# Altium PCB roach2.PcbDoc (part 12 of 39) (continued)
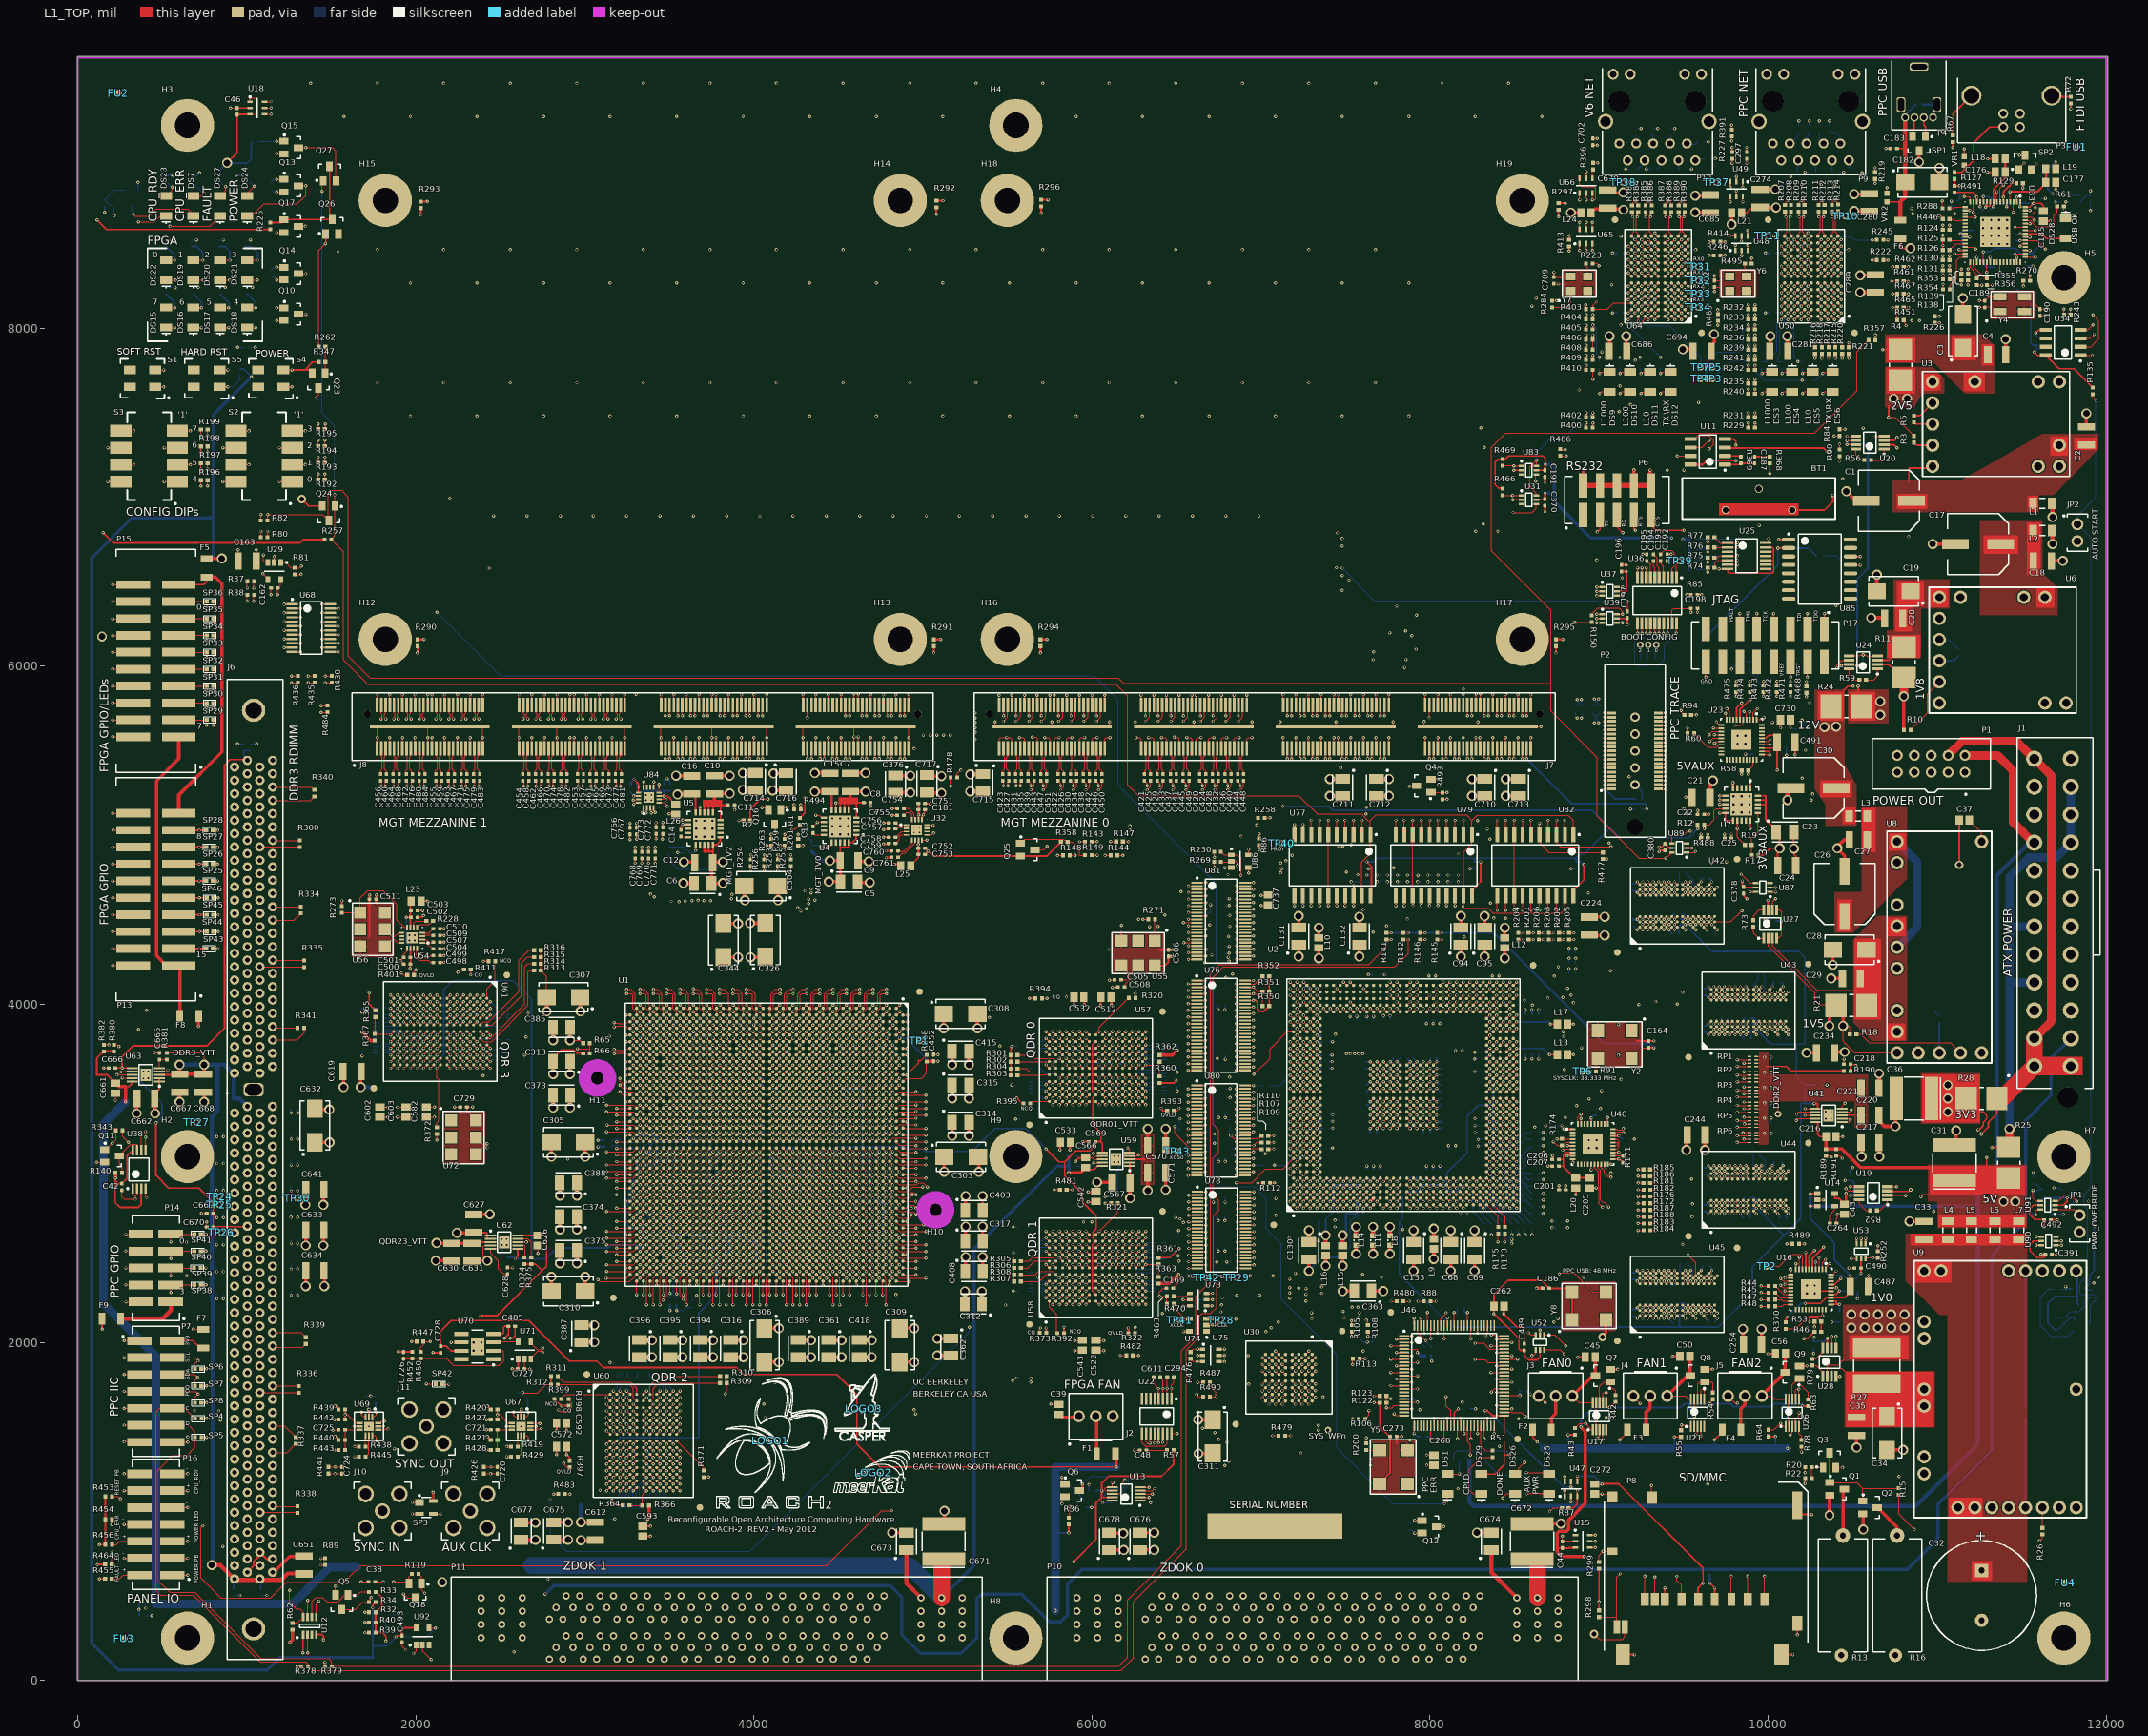
[diagram p0: L1_TOP view]
## Nets (pads, with @x,y where several pads share a name; then routed paths per layer and width w, separated by ;. In a path a pad name is that pad's centre, name@x,y a point inside that pad or via, vN(x,y) a via of type N, cw(c..) or ccw(c..) an arc to the next point about the centre after c; other vN are vias at no path point) (continued)
DDR3.BA2: J6.52 U1.AY32 | length 3134.6
  L1_TOP w5: v1(3325.87,2734.68) U1.AY32@3345.56,2754.37
  L12_S w3.8: J6.52@928.19,3277.64 1030.48,3277.64 1063.94,3311.1 1111.19,3311.1 1138.74,3283.55 1166.46,3283.55 1173.9,3290.99 1250.99,3290.99 1268.99,3272.99 1540.99,3272.99 ; 1538.99,3272.99 1540.99,3272.99 ; v1(3325.87,2734.68) 3285.56,2774.99 3152.02,2774.99 3135.49,2758.45 3117.53,2758.45 3096.99,2778.99 2518.99,2778.99 2462.56,2722.56 2415.42,2722.56 2374.99,2762.99 2148.99,2762.99 1973.57,2938.41 ccw(c1970.46,2935.3) 1967.35,2938.41 1957.55,2928.61 ; 1540.99,3272.99 1638.99,3272.99 1911.35,3000.64 cw(c1908.24,2997.52) 1911.35,2994.41 1901.55,2984.62 ; 1901.55,2978.39 ccw(c1904.66,2981.5) 1907.77,2978.39 ; 1901.55,2978.39 cw(c1904.66,2981.5) 1901.55,2984.62 ; 1901.55,2978.39 cw(c1904.66,2981.5) 1901.55,2984.62 ; 1901.55,2978.39 ccw(c1904.66,2981.5) 1907.77,2978.39 ; 1907.77,2978.39 1920.68,2991.3 1932.11,3002.73 cw(c1935.22,2999.61) 1938.33,3002.73 ; 1938.33,2996.5 ccw(c1935.22,2999.61) 1938.33,3002.73 ; 1938.33,2996.5 ccw(c1935.22,2999.61) 1938.33,3002.73 ; 1938.33,2996.5 1914,2972.17 ccw(c1917.11,2969.06) 1914,2965.95 ccw(c1917.11,2969.06) 1920.22,2965.95 1933.13,2978.86 1944.55,2990.28 ; 1944.55,2990.28 cw(c1947.66,2987.17) 1950.77,2990.28 ; 1944.55,2990.28 cw(c1947.66,2987.17) 1950.77,2990.28 ; 1950.77,2990.28 cw(c1947.66,2987.17) 1950.77,2984.06 1939.35,2972.63 1926.44,2959.72 ccw(c1929.55,2956.61) 1926.44,2953.5 ccw(c1929.55,2956.61) 1932.66,2953.5 1945.57,2966.41 1957,2977.84 cw(c1960.11,2974.72) 1963.22,2977.84 cw(c1960.11,2974.72) 1963.22,2971.61 1951.8,2960.19 1938.89,2947.28 ccw(c1942,2944.17) 1938.89,2941.06 ccw(c1942,2944.17) 1945.11,2941.06 1958.02,2953.97 1969.44,2965.39 cw(c1972.55,2962.28) 1975.66,2965.39 cw(c1972.55,2962.28) 1975.66,2959.17 1964.24,2947.74 1951.33,2934.83 ccw(c1954.44,2931.72) 1951.33,2928.61 ; 1951.33,2928.61 ccw(c1954.44,2931.72) 1957.55,2928.61 ; 1951.33,2928.61 ccw(c1954.44,2931.72) 1957.55,2928.61
DDR3.CASN: J6.74 U1.AU34 | length 3145.5
  L1_TOP w5: v1(3443.98,2655.94) U1.AU34@3463.67,2675.63
  L12_S w3.8: J6.74@928.19,2411.5 929.03,2411.5 969.53,2370.99 969.53,2358.27 989.13,2338.67 1036.39,2338.67 1063.94,2366.22 1111.19,2366.22 1140.41,2336.99 1176.99,2336.99 1260.99,2252.99 1984,2252.99 ccw(c1984,2260.8) 1991.81,2260.8 1991.81,2263.3 cw(c1999.61,2263.3) 1999.61,2271.11 cw(c1999.61,2263.3) 2007.42,2263.3 2007.42,2252.99 2007.42,2250.68 ccw(c2015.22,2250.68) 2015.22,2242.88 ccw(c2015.22,2250.68) 2023.03,2250.68 2023.03,2252.99 2023.03,2263.3 cw(c2030.83,2263.3) 2030.83,2271.11 cw(c2030.83,2263.3) 2038.64,2263.3 2038.64,2252.99 2038.64,2250.68 ccw(c2046.44,2250.68) 2046.44,2242.88 ccw(c2046.44,2250.68) 2054.25,2250.68 2054.25,2252.99 2054.25,2263.3 cw(c2062.05,2263.3) 2062.05,2271.11 cw(c2062.05,2263.3) 2069.86,2263.3 2069.86,2252.99 2069.86,2250.68 ccw(c2077.67,2250.68) 2077.67,2242.88 ccw(c2077.67,2250.68) 2085.47,2250.68 2085.47,2252.99 2085.47,2263.3 cw(c2093.28,2263.3) 2093.28,2271.11 cw(c2093.28,2263.3) 2101.08,2263.3 2101.08,2252.99 2101.08,2250.68 ccw(c2108.89,2250.68) 2108.89,2242.88 ccw(c2108.89,2250.68) 2116.69,2250.68 2116.69,2252.99 2116.69,2263.3 cw(c2124.5,2263.3) 2124.5,2271.11 cw(c2124.5,2263.3) 2132.3,2263.3 2132.3,2260.8 ccw(c2140.11,2260.8) 2140.11,2252.99 2469,2252.99 3137.08,2252.99 3319.41,2435.32 3446.99,2435.32 3459.58,2447.91 3459.58,2623.04 3443.98,2638.64 v1(3443.98,2655.94)
DDR3.CK_N: J6.185 U1.AY33 | length 3145.5
  L1_TOP w5: v1(3325.87,2695.31) U1.AY33@3345.56,2715
  L5_S w3.8: J6.185@1152.6,2765.83 1167.09,2765.83 1286.71,2885.44 1286.71,2915 1296.71,2925 1530,2925 1757.8,2697.2 1782.8,2697.2 1815,2697.2 ccw(c1815,2712.81) 1830.61,2712.81 1830.61,2729.39 cw(c1838.41,2729.39) 1846.22,2729.39 1846.22,2672.81 ccw(c1861.82,2672.81) 1877.43,2672.81 1877.43,2729.39 cw(c1885.23,2729.39) 1893.04,2729.39 1893.04,2672.81 ccw(c1908.64,2672.81) 1924.25,2672.81 1924.25,2729.39 cw(c1932.05,2729.39) 1939.86,2729.39 1939.86,2672.81 ccw(c1955.47,2672.81) 1971.07,2672.81 1971.07,2729.39 cw(c1978.88,2729.39) 1986.68,2729.39 1986.68,2672.81 ccw(c2002.29,2672.81) 2017.89,2672.81 2017.89,2729.39 cw(c2025.7,2729.39) 2033.5,2729.39 2033.5,2672.81 ccw(c2049.11,2672.81) 2064.72,2672.81 2064.72,2696.92 ; 2065,2697.2 2763.23,2697.2 2780.52,2714.48 3015.61,2714.48 cw(c3015.61,2706.68) 3023.42,2706.68 3023.42,2694.38 ccw(c3031.22,2694.38) 3031.22,2686.57 ccw(c3031.22,2694.38) 3039.03,2694.38 3039.03,2706.68 cw(c3046.83,2706.68) 3046.83,2714.48 3094.49,2714.48 3115,2734.99 3219.99,2734.99 3250.01,2734.99 3270,2715 3306.19,2715 v1(3325.87,2695.31)
DDR3.CK_P: J6.184 U1.BA32 | length 3148.1
  L1_TOP w5: v1(3286.5,2734.68) U1.BA32@3306.19,2754.37
  L5_S w3.8: J6.184@1077.8,2805.2 1195.43,2805.2 1278.91,2888.67 1278.91,2918.23 1293.48,2932.8 1534.42,2932.8 1762.22,2705 1815,2705 ccw(c1815,2712.81) 1822.81,2712.81 1822.81,2729.39 cw(c1838.41,2729.39) 1854.02,2729.39 1854.02,2672.81 ccw(c1861.82,2672.81) 1869.63,2672.81 1869.63,2729.39 cw(c1885.23,2729.39) 1900.84,2729.39 1900.84,2672.81 ccw(c1908.64,2672.81) 1916.45,2672.81 1916.45,2729.39 cw(c1932.05,2729.39) 1947.66,2729.39 1947.66,2672.81 ccw(c1955.47,2672.81) 1963.27,2672.81 1963.27,2729.39 cw(c1978.88,2729.39) 1994.48,2729.39 1994.48,2672.81 ccw(c2002.29,2672.81) 2010.09,2672.81 2010.09,2729.39 cw(c2025.7,2729.39) 2041.3,2729.39 2041.3,2672.81 ccw(c2049.11,2672.81) 2056.92,2672.81 2056.92,2696.92 cw(c2065,2696.92) 2065,2705 2760,2705 2777.28,2722.28 2995,2722.28 ccw(c2995,2730.09) 3002.81,2730.09 cw(c3010.61,2730.09) 3010.61,2737.9 cw(c3010.61,2730.09) 3018.42,2730.09 ccw(c3026.22,2730.09) 3026.22,2722.28 3030,2722.28 3091.26,2722.28 3111.77,2742.79 3212.21,2742.79 3217.8,2742.8 3230,2755 3266.19,2755 v1(3286.5,2734.68)
  L14_S w3.8: J6.184@1077.8,2805.2 J6.184@1082.99,2800
DDR3.CKE0: J6.50 U1.AV34 | length 3145.5
  L1_TOP w5: v1(3404.61,2655.94) U1.AV34@3424.3,2675.63
  L12_S w3.8: J6.50@928.19,3356.38 928.19,3404.19 958,3434 1102,3434 1138.99,3470.99 1552.99,3470.99 ; 1550.99,3470.99 1552.99,3470.99 ; v1(3404.61,2655.94) 3389.01,2671.54 3389.01,2858.97 3372.99,2874.99 3258.99,2874.99 3240.88,2856.88 3179.57,2856.88 3168.05,2868.39 3010.39,2868.39 2972.99,2830.99 2252.99,2830.99 2239.99,2843.99 2192.24,2891.74 cw(c2197.76,2897.26) 2192.24,2902.78 2202.03,2912.57 ccw(c2196.51,2918.09) 2202.03,2923.61 ccw(c2196.51,2918.09) 2190.99,2923.61 2181.2,2913.82 cw(c2175.68,2919.34) 2170.16,2913.82 1995.38,3088.61 ccw(c1992.27,3085.5) 1989.15,3088.61 1983.91,3083.37 cw(c1980.8,3086.48) 1977.69,3083.37 cw(c1980.8,3086.48) 1977.69,3089.59 1982.93,3094.83 ccw(c1979.82,3097.94) 1982.93,3101.05 1612.99,3470.99 1552.99,3470.99
DDR3.CKE1: J6.169 U1.AV35 | length 3145.5
  L1_TOP w5: v1(3404.61,2616.57) U1.AV35@3424.3,2636.26
  L12_S w3.8: J6.169@1152.6,3395.75 1199.75,3395.75 1217.42,3413.42 1546.56,3413.42 1546.99,3412.99 1604.99,3412.99 1994.16,3023.83 cw(c1991.05,3020.72) 1994.16,3017.6 1974.7,2998.15 ; v1(3404.61,2616.57) 3404.61,2633.88 3381.21,2657.28 3381.21,2822.77 3368.99,2834.99 3270.99,2834.99 3257.27,2848.71 3154.71,2848.71 3118.99,2812.99 2204.99,2812.99 2174.99,2842.99 2082.72,2935.26 cw(c2088.24,2940.78) 2082.72,2946.3 ccw(c2077.22,2951.83) 2082.74,2957.35 ccw(c2077.22,2951.83) 2071.7,2957.35 cw(c2066.17,2962.86) 2060.65,2957.34 2031.49,2986.49 ccw(c2028.38,2983.38) 2025.27,2986.49 2005.82,2967.04 cw(c2002.71,2970.15) 1999.59,2967.04 ; 1974.7,2991.93 ccw(c1977.82,2995.04) 1980.93,2991.93 2003.49,3014.49 2027.05,3038.06 ; 1974.7,2991.93 cw(c1977.82,2995.04) 1974.7,2998.15 ; 1974.7,2991.93 cw(c1977.82,2995.04) 1974.7,2998.15 ; 1987.15,2979.49 cw(c1990.26,2982.6) 1987.15,2985.71 2009.71,3008.27 2033.28,3031.83 ccw(c2030.17,3034.95) 2033.28,3038.06 ; 1987.15,2979.49 ccw(c1990.26,2982.6) 1993.37,2979.48 ; 1987.15,2979.49 ccw(c1990.26,2982.6) 1993.37,2979.48 ; 1993.37,2979.48 2039.5,3025.61 cw(c2042.61,3022.5) 2045.72,3025.61 cw(c2042.61,3022.5) 2045.72,3019.39 1999.59,2973.26 ; 1999.59,2967.04 cw(c2002.71,2970.15) 1999.59,2973.26 ; 1999.59,2967.04 cw(c2002.71,2970.15) 1999.59,2973.26 ; 2027.05,3038.06 cw(c2030.17,3034.95) 2033.28,3038.06 ; 2027.05,3038.06 cw(c2030.17,3034.95) 2033.28,3038.06
DDR3.DM0: J6.125 R340.1 | length 254
  L1_TOP w5: J6.125@1152.6,5285.51 1384.17,5285.51 R340.1@1400,5269.68
DDR3.DM1: J6.134 R300.1 | length 236.6
  L1_TOP w5: J6.134@1077.8,4931.18 1313.13,4931.18 R300.1@1314,4930.31
DDR3.DM2: J6.143 R334.1 | length 167.7
  L1_TOP w5: J6.143@1152.6,4576.85 1319.17,4576.85 R334.1@1320,4577.68
DDR3.DM3: J6.152 R335.1 | length 263.1
  L1_TOP w5: J6.152@1077.8,4222.52 1080,4220.32 R335.1@1340,4220.32
DDR3.DM4: J6.203 R339.1 | length 208.8
  L1_TOP w5: J6.203@1152.6,2057.17 1322.52,2057.17 R339.1@1350,2029.68
DDR3.DM5: J6.212 R336.1 | length 230.4
  L1_TOP w5: J6.212@1077.8,1702.83 1307.48,1702.83 R336.1@1308,1702.32
DDR3.DM6: J6.221 R337.1 | length 158.9
  L1_TOP w5: J6.221@1152.6,1348.5 1238.19,1348.5 R337.1@1290,1400.32
DDR3.DM7: J6.230 R338.1 | length 223.8
  L1_TOP w5: J6.230@1077.8,994.17 1296.14,994.17 R338.1@1300,990.32
DDR3.DM8: J6.161 R341.1 | length 151.1
  L1_TOP w5: J6.161@1152.6,3868.19 1160.79,3860 R341.1@1300.32,3860
DDR3.DQ0: J6.3 U1.AH25 | length 4750
  L1_TOP w5: v1(3798.31,3010.27) U1.AH25@3818,3029.96
  L3_S w3.8: J6.3@1002.99,5364.25 1004.25,5362.99 1087,5362.99 1131.03,5318.97 1187.01,5318.97 1250.79,5255.19 1250.79,5199.19 1781.28,4668.71 1781.28,4640.85 1746.99,4606.56 1746.99,3652.99 1874.99,3524.99 2036.99,3524.99 2234.99,3326.99 2251,3326.99 ccw(c2251,3334.8) 2258.81,3334.8 2258.81,3349.29 cw(c2266.61,3349.29) 2266.61,3357.09 cw(c2266.61,3349.29) 2274.42,3349.29 2274.42,3326.99 2274.42,3312.7 ccw(c2282.22,3312.7) 2282.22,3304.89 ccw(c2282.22,3312.7) 2290.03,3312.7 2290.03,3326.99 2290.03,3349.29 cw(c2297.83,3349.29) 2297.83,3357.09 cw(c2297.83,3349.29) 2305.64,3349.29 2305.64,3326.99 2305.64,3312.7 ccw(c2313.44,3312.7) 2313.44,3304.89 ccw(c2313.44,3312.7) 2321.25,3312.7 2321.25,3319.19 cw(c2329.05,3319.19) 2329.05,3326.99 2438,3326.99 2570.99,3326.99 3044.99,3326.99 3109.89,3262.1 3135.49,3262.1 3144.99,3252.59 3144.99,3247.04 3188.99,3203.04 3212.94,3203.04 3261.98,3154 3794.76,3154 3813.91,3134.85 3813.91,3069.91 3796,3052 3796,3012.59 v1(3798.31,3010.27)
DDR3.DQ1: J6.4 U1.AM29 | length 4749.4
  L1_TOP w5: v1(3640.83,2852.79) U1.AM29@3660.52,2872.48
  L3_S w3.8: J6.4@928.19,5324.88 934.1,5318.97 1016.85,5318.97 1056.22,5279.6 1091.66,5279.6 1124.26,5246.99 1159.7,5246.99 1186.06,5220.63 1186.06,5219.93 1700.99,4704.99 1700.99,3658.99 1858.99,3500.99 1972.99,3500.99 2176.99,3296.99 2546.99,3296.99 2582.99,3260.99 3066.99,3260.99 3164.31,3163.67 3203.68,3163.67 3262.73,3104.61 3726.04,3104.61 3735.17,3095.48 3735.17,3048.83 3782.71,3001.29 3782.71,2919.71 3770.76,2907.76 3726.04,2907.76 3673.74,2907.76 3664.6,2898.63 3664.6,2876.56 v1(3640.83,2852.79)
DDR3.DQ2: J6.9 U1.AM28 | length 4750
  L1_TOP w5: v1(3640.83,2892.16) U1.AM28@3660.52,2911.85
  L3_S w3.8: J6.9@1002.99,5128.03 1085.95,5128.03 1126.99,5086.99 1135.29,5086.99 1135.51,5086.77 1183.21,5086.77 1608.99,4660.99 1608.99,3656.99 1746.99,3518.99 1746.99,3506.99 1920.06,3333.93 ccw(c1925.58,3339.44) 1931.1,3333.93 1936.75,3339.58 cw(c1942.27,3334.06) 1947.79,3339.58 cw(c1942.27,3334.06) 1947.79,3328.54 1936.62,3317.37 1921.07,3301.82 ccw(c1926.59,3296.3) 1921.07,3290.78 ccw(c1926.59,3296.3) 1932.11,3290.78 1947.66,3306.33 1958.83,3317.5 cw(c1964.35,3311.98) 1969.87,3317.5 cw(c1964.35,3311.98) 1969.87,3306.46 1958.69,3295.29 1943.15,3279.74 ccw(c1948.67,3274.22) 1943.15,3268.7 ccw(c1948.67,3274.22) 1954.19,3268.7 1969.73,3284.25 1980.91,3295.43 cw(c1986.43,3289.91) 1991.95,3295.43 cw(c1986.43,3289.91) 1991.95,3284.39 1980.77,3273.21 1965.22,3257.67 ccw(c1970.74,3252.15) 1965.22,3246.63 ccw(c1970.74,3252.15) 1976.26,3246.63 1991.81,3262.17 2002.98,3273.35 cw(c2008.5,3267.83) 2014.02,3273.35 cw(c2008.5,3267.83) 2014.02,3262.31 2002.85,3251.14 1987.3,3235.59 ccw(c1992.82,3230.07) 1987.3,3224.55 ccw(c1992.82,3230.07) 1998.34,3224.55 2013.89,3240.1 2016.82,3243.03 cw(c2022.34,3237.51) 2027.86,3243.03 cw(c2022.34,3237.51) 2027.86,3231.99 2024.93,3229.06 2009.38,3213.51 ccw(c2014.9,3207.99) 2009.38,3202.47 ccw(c2014.9,3207.99) 2020.42,3202.47 2030.45,3212.5 cw(c2035.96,3206.98) 2041.48,3212.5 cw(c2035.96,3206.98) 2041.48,3201.46 2031.46,3191.43 ccw(c2036.98,3185.91) 2031.46,3180.4 ccw(c2036.98,3185.91) 2042.49,3180.4 2057.09,3194.99 cw(c2058.04,3194.04) 2058.99,3194.99 2108.99,3144.99 2168.99,3144.99 2396.99,3144.99 2406.99,3134.99 2434.99,3134.99 2452.99,3152.99 2954.99,3152.99 2967.56,3140.42 2967.56,3083.67 2988.32,3062.92 3017.67,3062.92 3029.74,3074.99 3152.99,3074.99 3174.99,3052.99 3198.04,3052.99 3256.36,2994.67 3560.39,2994.67 3577.69,2977.37 3577.69,2970.29 3594.99,2952.99 3605.23,2952.99 3625.23,2932.99 3625.23,2907.76 v1(3640.83,2892.16)
DDR3.DQ3: J6.10 U1.AN29 | length 4750
  L1_TOP w5: v1(3601.46,2852.79) U1.AN29@3621.15,2872.48
  L3_S w3.8: J6.10@928.19,5088.66 1030.48,5088.66 1063.94,5055.2 1099.37,5055.2 1138.74,5015.83 1208.15,5015.83 1588.99,4634.99 1588.99,3645.5 1663.75,3570.75 1667.16,3567.33 cw(c1662.54,3562.71) 1667.16,3558.09 ccw(c1672.68,3552.57) 1667.16,3547.05 ccw(c1672.68,3552.57) 1678.2,3547.05 1682.82,3551.67 1687.53,3556.38 cw(c1693.05,3550.86) 1698.57,3556.38 cw(c1693.05,3550.86) 1698.57,3545.34 ccw(c1703.28,3540.63) 1698.57,3535.92 1704.9,3529.59 1710.42,3524.07 1710.42,3487.56 1710.97,3487.01 1716.49,3481.49 1719.33,3478.65 ccw(c1724.85,3484.17) 1730.37,3478.65 1740.38,3488.67 cw(c1745.9,3483.15) 1751.42,3488.67 cw(c1745.9,3483.15) 1751.42,3477.63 1735.89,3462.09 1716.51,3442.72 ccw(c1722.03,3437.2) 1716.51,3431.68 ccw(c1722.03,3437.2) 1727.55,3431.68 1746.93,3451.06 1762.46,3466.59 cw(c1767.98,3461.07) 1773.5,3466.59 cw(c1767.98,3461.07) 1773.5,3455.55 1757.97,3440.02 1741.43,3423.49 ccw(c1746.95,3417.97) 1741.43,3412.45 ccw(c1746.95,3417.97) 1752.47,3412.45 1769.01,3428.98 1784.54,3444.51 cw(c1790.06,3438.99) 1795.58,3444.51 cw(c1790.06,3438.99) 1795.58,3433.47 1780.04,3417.94 1763.51,3401.41 ccw(c1769.03,3395.89) 1763.51,3390.37 ccw(c1769.03,3395.89) 1774.55,3390.37 1791.08,3406.9 1806.61,3422.43 cw(c1812.13,3416.91) 1817.65,3422.43 cw(c1812.13,3416.91) 1817.65,3411.39 1802.12,3395.86 1785.59,3379.33 ccw(c1791.11,3373.81) 1785.59,3368.29 ccw(c1791.11,3373.81) 1796.63,3368.29 1807.64,3379.31 cw(c1813.16,3373.79) 1818.68,3379.31 1848.49,3349.49 2104.99,3092.99 2494.99,3092.99 2728.99,3092.99 2770.99,3050.99 3034.99,3050.99 3049.24,3065.24 3144.62,3065.24 3173.08,3036.79 3191.19,3036.79 3272.68,2955.3 3560.39,2955.3 3580.99,2934.7 3580.99,2873.27 v1(3601.46,2852.79)
DDR3.DQ4: J6.122 U1.AG27 | length 4750
  L1_TOP w5: v1(3837.68,2931.53) U1.AG27@3857.37,2951.22
  L3_S w3.8: J6.122@1077.8,5403.62 1078.43,5402.99 1230.99,5402.99 1286.99,5346.99 1286.99,5210.99 1812.99,4684.99 1812.99,4616.99 1778.99,4582.99 1778.99,3662.99 1884.99,3556.99 2054.99,3556.99 2184.99,3426.99 2499,3426.99 ccw(c2499,3434.8) 2506.81,3434.8 cw(c2514.61,3434.8) 2514.61,3442.6 cw(c2514.61,3434.8) 2522.42,3434.8 2522.42,3426.99 2522.42,3407.09 ccw(c2530.22,3407.09) 2530.22,3399.29 ccw(c2530.22,3407.09) 2538.03,3407.09 2538.03,3419.19 cw(c2545.83,3419.19) 2545.83,3426.99 2706.99,3426.99 2786.99,3346.99 3052.99,3346.99 3086.99,3312.99 3126.14,3312.99 3146.53,3292.6 3146.53,3285.45 3208.99,3222.99 3224.89,3222.99 3278.28,3169.6 3818.53,3169.6 3853.28,3134.85 3853.28,2947.13 v1(3837.68,2931.53)
DDR3.DQ5: J6.123 U1.AH26 | length 4750
  L1_TOP w5: v1(3798.31,2970.9) U1.AH26@3818,2990.59
  L3_S w3.8: J6.123@1152.6,5364.25 1155.86,5360.99 1194.99,5360.99 1270.99,5284.99 1270.99,5202.99 1796.99,4676.99 1796.99,4632.99 1760.99,4596.99 1760.99,3658.99 1880.99,3538.99 2048.99,3538.99 2222.99,3364.99 2358,3364.99 ccw(c2358,3372.8) 2365.81,3372.8 2365.81,3405.5 cw(c2373.61,3405.5) 2373.61,3413.3 cw(c2373.61,3405.5) 2381.42,3405.5 2381.42,3364.99 2381.42,3348.49 ccw(c2389.22,3348.49) 2389.22,3340.68 ccw(c2389.22,3348.49) 2397.03,3348.49 2397.03,3364.99 2397.03,3405.5 cw(c2404.83,3405.5) 2404.83,3413.3 cw(c2404.83,3405.5) 2412.64,3405.5 2412.64,3364.99 2412.64,3348.49 ccw(c2420.44,3348.49) 2420.44,3340.68 ccw(c2420.44,3348.49) 2428.25,3348.49 2428.25,3357.19 cw(c2436.05,3357.19) 2436.05,3364.99 2734.99,3364.99 2760.99,3338.99 3044.02,3338.99 3091.51,3291.51 ; 3090.22,3292.79 3091.51,3291.51 ; v1(3798.31,2970.9) 3821.71,2994.3 3821.71,3138.08 3797.99,3161.8 3265.21,3161.8 3216.17,3210.84 3201.14,3210.84 3142.09,3269.9 3113.12,3269.9 3091.51,3291.51
DDR3.DQ6: J6.128 U1.AL27 | length 4750
  L1_TOP w5: v1(3680.2,2931.53) U1.AL27@3699.89,2951.22
  L3_S w3.8: J6.128@1077.8,5167.4 1082.58,5167.4 1119.14,5130.85 1119.14,5114.17 1138.74,5094.57 1191.41,5094.57 1192.99,5092.99 1230.99,5092.99 1620.99,4702.99 1620.99,3672.99 1854.99,3438.99 1874.99,3438.99 1922.99,3390.99 1922.99,3378.25 2035.93,3265.31 ccw(c2041.45,3270.83) 2046.96,3265.31 2052.4,3270.75 cw(c2057.92,3265.23) 2063.44,3270.75 cw(c2057.92,3265.23) 2063.44,3259.71 2052.48,3248.75 2040.27,3236.54 ccw(c2045.79,3231.03) 2040.27,3225.51 ccw(c2045.79,3231.03) 2051.31,3225.51 2063.52,3237.72 2074.48,3248.67 cw(c2080,3243.15) 2085.52,3248.67 cw(c2080,3243.15) 2085.52,3237.63 2074.56,3226.68 2062.35,3214.47 ccw(c2067.87,3208.95) 2062.35,3203.43 ccw(c2067.87,3208.95) 2073.39,3203.43 2080.08,3210.12 cw(c2085.6,3204.6) 2091.12,3210.12 2130.25,3170.99 2161,3170.99 ccw(c2161,3178.8) 2168.81,3178.8 2168.81,3191.39 cw(c2176.61,3191.39) 2176.61,3199.19 cw(c2176.61,3191.39) 2184.42,3191.39 2184.42,3170.99 2184.42,3160.6 ccw(c2192.22,3160.6) 2192.22,3152.79 ccw(c2192.22,3160.6) 2200.03,3160.6 2200.03,3170.99 2200.03,3191.39 cw(c2207.83,3191.39) 2207.83,3199.19 cw(c2207.83,3191.39) 2215.64,3191.39 2215.64,3170.99 2215.64,3160.6 ccw(c2223.44,3160.6) 2223.44,3152.79 ccw(c2223.44,3160.6) 2231.25,3160.6 2231.25,3170.99 2231.25,3191.39 cw(c2239.05,3191.39) 2239.05,3199.19 cw(c2239.05,3191.39) 2246.86,3191.39 2246.86,3170.99 2246.86,3160.6 ccw(c2254.67,3160.6) 2254.67,3152.79 ccw(c2254.67,3160.6) 2262.47,3160.6 2262.47,3170.99 2262.47,3191.39 cw(c2270.28,3191.39) 2270.28,3199.19 cw(c2270.28,3191.39) 2278.08,3191.39 2278.08,3170.99 2278.08,3160.6 ccw(c2285.89,3160.6) 2285.89,3152.79 ccw(c2285.89,3160.6) 2293.69,3160.6 2293.69,3163.19 cw(c2301.5,3163.19) 2301.5,3170.99 cw(c2301.5,3163.19) 2309.3,3163.19 2309.3,3160.6 ccw(c2317.11,3160.6) 2317.11,3152.79 ccw(c2317.11,3160.6) 2324.92,3160.6 2324.92,3163.19 cw(c2332.72,3163.19) 2332.72,3170.99 2338,3170.99 2388.99,3170.99 2410.99,3192.99 2434.99,3192.99 2444.99,3182.99 2976.99,3182.99 3075.05,3084.93 3210.23,3084.93 3269.28,3025.87 3568.56,3025.87 3577.69,3016.74 3577.69,2996.29 3587.48,2986.5 3686.67,2986.5 3695.8,2977.37 3695.8,2964.44 3680.2,2948.84 v1(3680.2,2931.53)
DDR3.DQ7: J6.129 U1.AK25 | length 4750
  L1_TOP w5: v1(3719.57,3010.27) U1.AK25@3739.26,3029.96
  L3_S w3.8: J6.129@1152.6,5128.03 1215.95,5128.03 1638.99,4704.99 1638.99,3670.99 1850.99,3458.99 1886.99,3458.99 2138.99,3206.99 2277,3206.99 ccw(c2277,3214.8) 2284.81,3214.8 2284.81,3226.93 cw(c2292.61,3226.93) 2292.61,3234.74 cw(c2292.61,3226.93) 2300.42,3226.93 2300.42,3206.99 2300.42,3187.26 ccw(c2308.22,3187.26) 2308.22,3179.45 ccw(c2308.22,3187.26) 2316.03,3187.26 2316.03,3206.99 2316.03,3226.93 cw(c2323.83,3226.93) 2323.83,3234.74 cw(c2323.83,3226.93) 2331.64,3226.93 2331.64,3214.8 ccw(c2339.44,3214.8) 2339.44,3206.99 2339.59,3206.99 cw(c2339.59,3199.19) 2347.4,3199.19 2347.4,3187.26 ccw(c2355.2,3187.26) 2355.2,3179.45 ccw(c2355.2,3187.26) 2363.01,3187.26 2363.01,3206.99 2363.01,3226.93 cw(c2370.81,3226.93) 2370.81,3234.74 cw(c2370.81,3226.93) 2378.62,3226.93 2378.62,3214.8 ccw(c2386.43,3214.8) 2386.43,3206.99 2407,3206.99 2666,3206.99 2668.22,3206.99 cw(c2668.22,3199.19) 2676.03,3199.19 2676.03,3198.6 ccw(c2683.83,3198.6) 2683.83,3190.79 ccw(c2683.83,3198.6) 2691.64,3198.6 2691.64,3206.99 2691.64,3209.39 cw(c2699.45,3209.39) 2699.45,3217.19 cw(c2699.45,3209.39) 2707.25,3209.39 2707.25,3206.99 2707.25,3198.6 ccw(c2715.06,3198.6) 2715.06,3190.79 ccw(c2715.06,3198.6) 2722.86,3198.6 2722.86,3206.99 2722.86,3209.39 cw(c2730.67,3209.39) 2730.67,3217.19 cw(c2730.67,3209.39) 2738.47,3209.39 2738.47,3206.99 2738.47,3198.6 ccw(c2746.28,3198.6) 2746.28,3190.79 ccw(c2746.28,3198.6) 2754.08,3198.6 2754.08,3206.99 2754.08,3209.39 cw(c2761.89,3209.39) 2761.89,3217.19 cw(c2761.89,3209.39) 2769.7,3209.39 2769.7,3206.99 2769.7,3198.6 ccw(c2777.5,3198.6) 2777.5,3190.79 ccw(c2777.5,3198.6) 2785.31,3198.6 2785.31,3206.99 2785.31,3209.39 cw(c2793.11,3209.39) 2793.11,3217.19 cw(c2793.11,3209.39) 2800.92,3209.39 2800.92,3206.99 2800.92,3198.6 ccw(c2808.72,3198.6) 2808.72,3190.79 ccw(c2808.72,3198.6) 2816.53,3198.6 2816.53,3206.99 2816.53,3209.39 cw(c2824.33,3209.39) 2824.33,3217.19 cw(c2824.33,3209.39) 2832.14,3209.39 2832.14,3206.99 2832.14,3198.6 ccw(c2839.95,3198.6) 2839.95,3190.79 ccw(c2839.95,3198.6) 2847.75,3198.6 2847.75,3206.99 2847.75,3209.39 cw(c2855.56,3209.39) 2855.56,3217.19 cw(c2855.56,3209.39) 2863.36,3209.39 2863.36,3206.99 2863.36,3198.6 ccw(c2871.17,3198.6) 2871.17,3190.79 ccw(c2871.17,3198.6) 2878.97,3198.6 2878.97,3206.99 2878.97,3209.39 cw(c2886.78,3209.39) 2886.78,3217.19 cw(c2886.78,3209.39) 2894.58,3209.39 2894.58,3206.99 2894.58,3198.6 ccw(c2902.39,3198.6) 2902.39,3190.79 ccw(c2902.39,3198.6) 2910.19,3198.6 2910.19,3199.19 cw(c2918,3199.19) 2918,3206.99 3000.99,3206.99 3016.18,3191.81 ccw(c3021.7,3197.33) 3027.22,3191.81 3050.32,3214.91 cw(c3055.84,3209.39) 3061.36,3214.91 cw(c3055.84,3209.39) 3061.36,3203.87 3032.74,3175.25 3019.77,3162.28 ccw(c3025.29,3156.76) 3019.77,3151.24 ccw(c3025.29,3156.76) 3030.81,3151.24 3038.26,3158.69 cw(c3043.77,3153.17) 3049.29,3158.69 3053.49,3154.49 3098.99,3108.99 3165.72,3108.99 3181.62,3093.1 3224.88,3093.1 3283.94,3034.04 3604.75,3034.04 3625.23,3013.56 3625.23,3003.81 3634.74,2994.3 3703.6,2994.3 v1(3719.57,3010.27)
DDR3.DQ8: J6.12 U1.AP28 | length 4328
  L1_TOP w5: v1(3562.09,2892.16) U1.AP28@3581.78,2911.85
  L5_S w3.8: J6.12@928.19,5009.92 1022.06,5009.92 1055.52,4976.46 1108.46,4976.46 1136.01,5004.01 1186.06,5004.01 1231.08,4958.99 1364.99,4958.99 1578.59,4745.39 1578.59,4605.53 1564.99,4591.93 1564.99,3668.99 1689.16,3544.83 1689.67,3544.83 1720.99,3513.5 1720.99,3414.99 1764.99,3370.99 1926.99,3370.99 2324.99,2972.99 2382.99,2972.99 ; 2380.99,2972.99 2382.99,2972.99 ; v1(3562.09,2892.16) 3538.32,2915.94 3538.32,2977.37 3529.18,2986.5 3206.05,2986.5 3194.54,2974.99 3181.62,2974.99 3170.1,2986.5 3122.56,2986.5 3109.05,2972.99 2382.99,2972.99
DDR3.DQ9: J6.13 U1.AY30 | length 4328
  L1_TOP w5: v1(3325.87,2813.42) U1.AY30@3345.56,2833.11
  L5_S w3.8: J6.13@1002.99,4970.55 1037.43,4970.55 1042.99,4964.99 1094.99,4964.99 1122.89,4937.09 1310.89,4937.09 1534.99,4712.99 1534.99,4676 ccw(c1542.8,4676) 1542.8,4668.19 1542.91,4668.19 cw(c1542.91,4660.39) 1550.72,4660.39 cw(c1542.91,4660.39) 1542.91,4652.58 1534.99,4652.58 1510.67,4652.58 ccw(c1510.67,4644.78) 1502.87,4644.78 ccw(c1510.67,4644.78) 1510.67,4636.97 1527.19,4636.97 cw(c1527.19,4629.17) 1534.99,4629.17 1534.99,4518 1534.99,4215 ; 1534.99,4220.59 1534.99,4215 ; v1(3325.87,2813.42) 3346.45,2834 3455,2834 3465,2844 3465,2902 3456,2911 3429,2911 3422.99,2917.01 3422.99,2935.22 3402.9,2955.3 3206.06,2955.3 3194.54,2966.82 3180.82,2966.82 3169.3,2955.3 2324.68,2955.3 1930.39,3349.59 1754.39,3349.59 1630.99,3472.99 1630.99,3548.99 1534.99,3644.99 1534.99,4215
DDR3.DQ10: J6.18 U1.AR29 | length 4328
  L1_TOP w5: v1(3522.72,2852.79) U1.AR29@3542.41,2872.48
  L5_S w3.8: J6.18@928.19,4773.7 1022.28,4773.7 1056.99,4738.99 1100.62,4738.99 1138.74,4700.87 1304.87,4700.87 1305.99,4701.99 1380.99,4626.99 1380.99,4455 ccw(c1388.8,4455) 1388.8,4447.19 1389.22,4447.19 cw(c1389.22,4439.39) 1397.02,4439.39 cw(c1389.22,4439.39) 1389.22,4431.58 1380.99,4431.58 1376.77,4431.58 ccw(c1376.77,4423.78) 1368.96,4423.78 ccw(c1376.77,4423.78) 1376.77,4415.97 1380.99,4415.97 1389.22,4415.97 cw(c1389.22,4408.17) 1397.02,4408.17 cw(c1389.22,4408.17) 1389.22,4400.36 1380.99,4400.36 1376.77,4400.36 ccw(c1376.77,4392.56) 1368.96,4392.56 ccw(c1376.77,4392.56) 1376.77,4384.75 1380.99,4384.75 1389.22,4384.75 cw(c1389.22,4376.94) 1397.02,4376.94 cw(c1389.22,4376.94) 1389.22,4369.14 1388.8,4369.14 ccw(c1388.8,4361.33) 1380.99,4361.33 1380.99,3926.14 1380.99,3476.99 1444.56,3413.42 1502.67,3413.42 1523.42,3392.67 1523.42,3330.56 1656.99,3196.99 1912.99,3196.99 2312.99,2796.99 2484.99,2796.99 2492.99,2788.99 3008.99,2788.99 3052.99,2832.99 3207.01,2832.99 3242.18,2797.82 3489.81,2797.82 3498.95,2806.96 3498.95,2829.02 v1(3522.72,2852.79)
DDR3.DQ11: J6.19 U1.AR30 | length 4326.6
  L1_TOP w5: v1(3522.72,2813.42) U1.AR30@3542.41,2833.11
  L5_S w3.8: J6.19@1002.99,4734.33 1008.9,4728.42 1091.66,4728.42 1131.03,4689.05 1276.93,4689.05 1358.99,4606.99 1358.99,4540.59 ccw(c1365.39,4540.59) 1365.39,4534.19 cw(c1365.39,4526.39) 1373.19,4526.39 cw(c1365.39,4526.39) 1365.39,4518.58 1270.37,4518.58 ccw(c1270.37,4510.78) 1262.56,4510.78 ccw(c1270.37,4510.78) 1270.37,4502.97 1351.19,4502.97 cw(c1351.19,4495.17) 1358.99,4495.17 1358.99,4144.08 1358.99,3436.99 1640.99,3154.99 1906.99,3154.99 2290.99,2770.99 2326.99,2770.99 2375.42,2722.56 2452.67,2722.56 2493.09,2762.99 3014.99,2762.99 3066.99,2814.99 3202.01,2814.99 3227.35,2789.65 3498.95,2789.65 v1(3522.72,2813.42)
DDR3.DQ12: J6.131 U1.AM27 | length 4328
  L1_TOP w5: v1(3640.83,2931.53) U1.AM27@3660.52,2951.22
  L5_S w3.8: J6.131@1152.6,5049.29 1384.69,5049.29 1652.99,4780.99 1652.99,4609 ccw(c1660.8,4609) 1660.8,4601.19 1787.77,4601.19 cw(c1787.77,4593.39) 1795.58,4593.39 cw(c1787.77,4593.39) 1787.77,4585.58 1660.8,4585.58 ccw(c1660.8,4577.78) 1652.99,4577.78 1652.99,3956 1652.99,3814.99 1708.99,3758.99 1708.99,3670.99 2354.11,3025.87 3225.16,3025.87 3236.67,3014.36 3249.6,3014.36 3261.11,3025.87 3607.93,3025.87 3620.99,3012.81 3620.99,2951.38 v1(3640.83,2931.53)
DDR3.DQ13: J6.132 U1.AN26 | length 4342.7
  L1_TOP w5: v1(3601.46,2970.9) U1.AN26@3621.15,2990.59
  L5_S w3.8: J6.132@1077.8,5009.92 1079.69,5011.81 1366.17,5011.81 1596.99,4780.99 1596.99,4543 ccw(c1604.8,4543) 1604.8,4535.19 cw(c1604.8,4527.39) 1612.6,4527.39 cw(c1604.8,4527.39) 1604.8,4519.58 ccw(c1604.8,4511.78) 1596.99,4511.78 1596.99,4432.99 1596.99,4327 ccw(c1604.8,4327) 1604.8,4319.19 1637.39,4319.19 cw(c1637.39,4311.39) 1645.19,4311.39 cw(c1637.39,4311.39) 1637.39,4303.58 1596.99,4303.58 1580.6,4303.58 ccw(c1580.6,4295.78) 1572.79,4295.78 ccw(c1580.6,4295.78) 1580.6,4287.97 1596.99,4287.97 1637.39,4287.97 cw(c1637.39,4280.17) 1645.19,4280.17 cw(c1637.39,4280.17) 1637.39,4272.36 1596.99,4272.36 1580.6,4272.36 ccw(c1580.6,4264.56) 1572.79,4264.56 ccw(c1580.6,4264.56) 1580.6,4256.75 1589.19,4256.75 cw(c1589.19,4248.94) 1596.99,4248.94 1596.99,3931 1596.99,3678.99 1866.99,3408.99 1934.99,3408.99 2116.99,3226.99 2130.99,3226.99 2150.99,3206.99 2150.99,3182.99 2327.79,3006.19 2382.99,3006.19 ; 2380.99,3006.19 2382.99,3006.19 ; v1(3601.46,2970.9) 3577.69,2994.67 3206.06,2994.67 3194.54,3006.19 3147,3006.19 3135.49,2994.67 3122.56,2994.67 3111.05,3006.19 2382.99,3006.19